# Altium PCB ECE453.PcbDoc (continued)
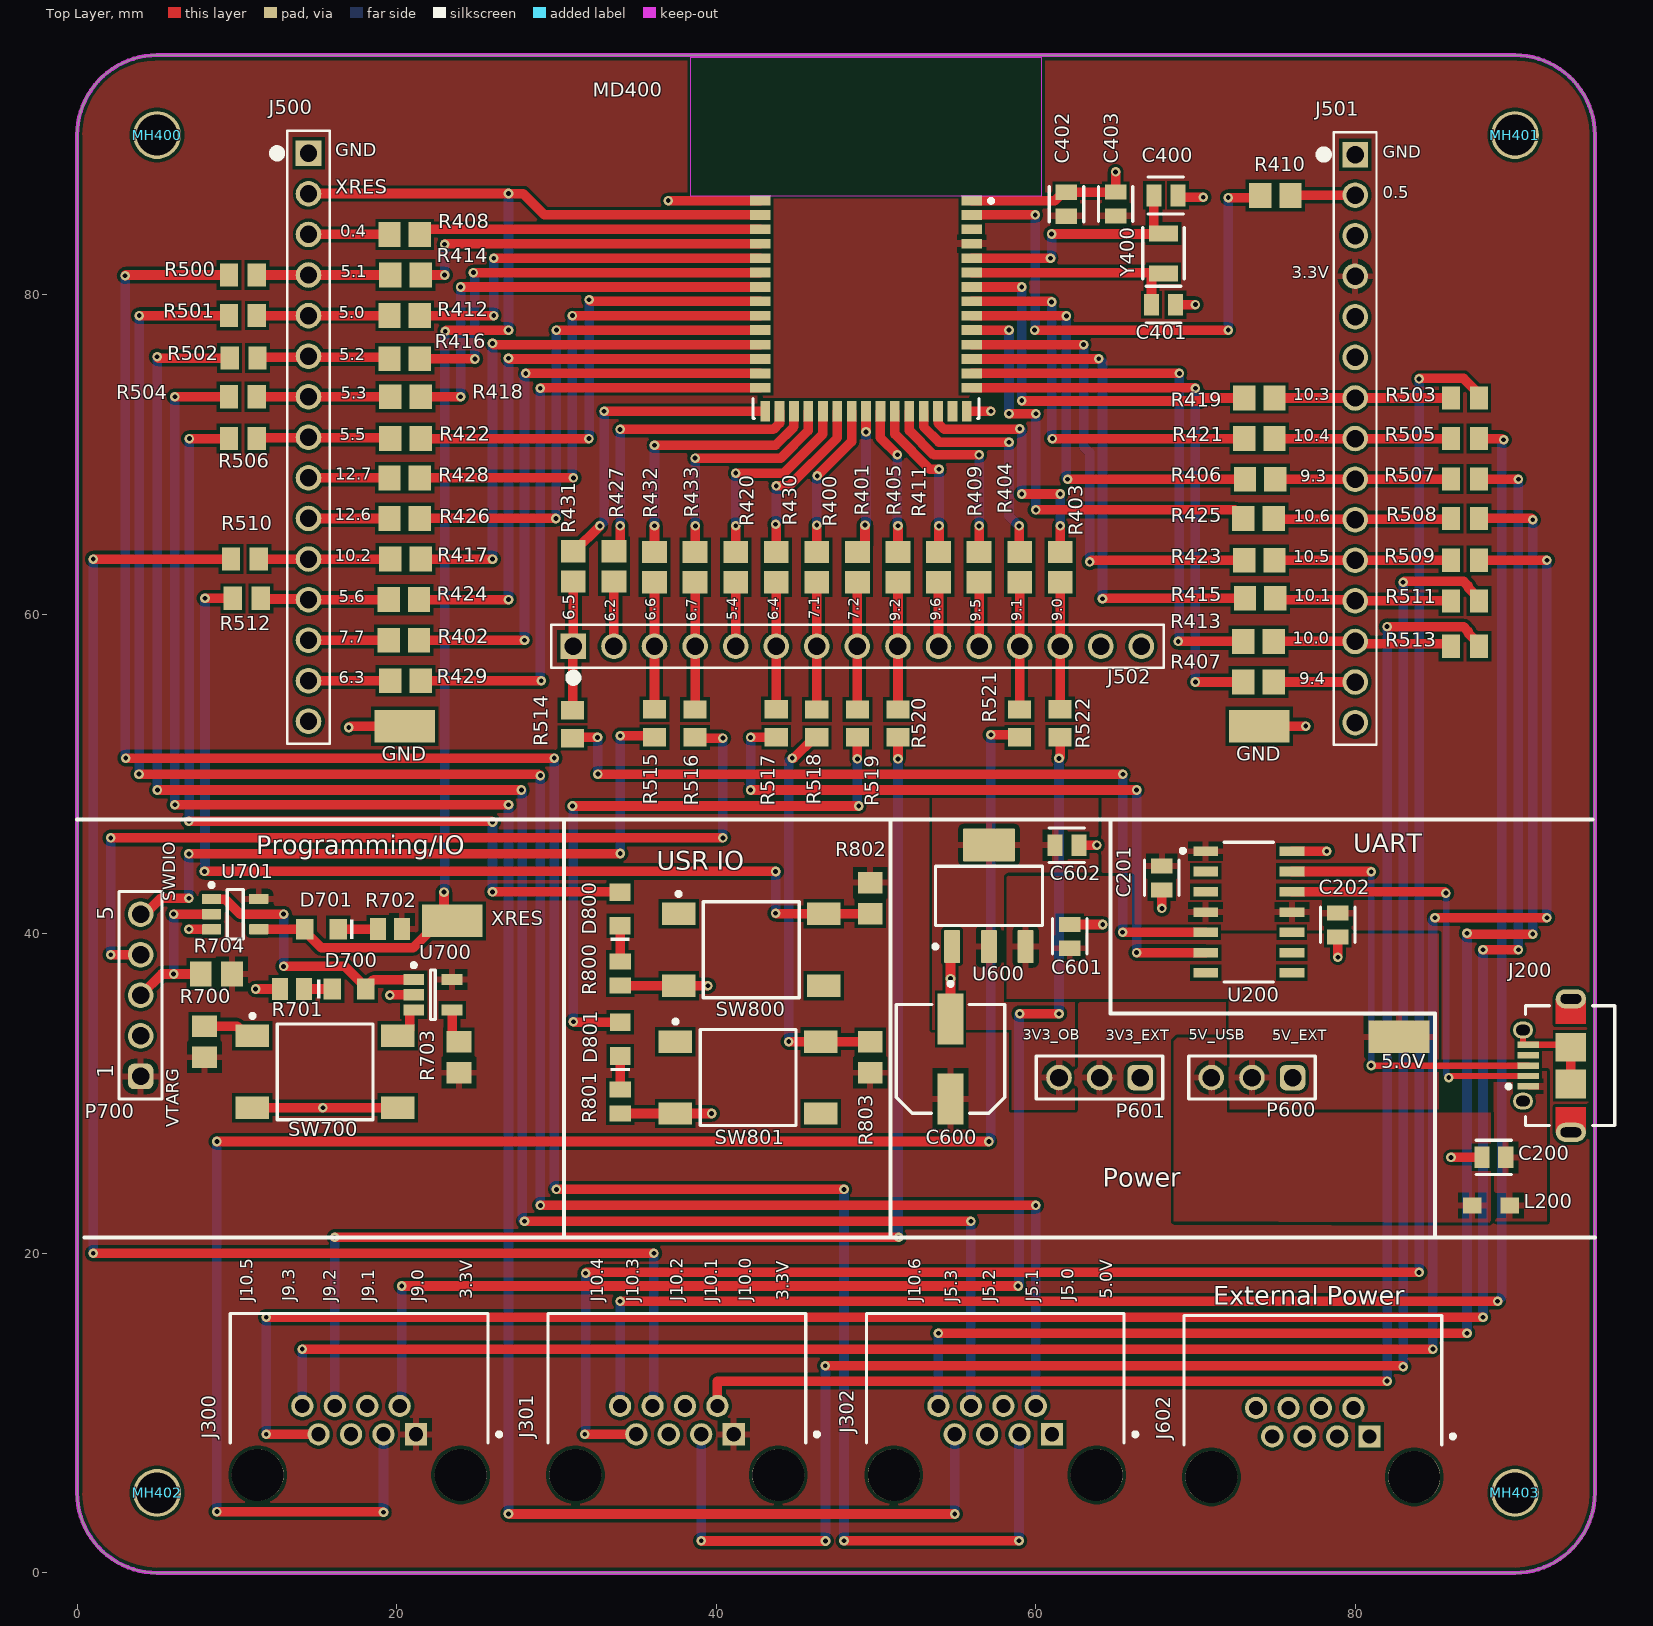
[diagram p0: Top Layer view]
## Part data
5.0V GND GND XRES: library part CMP-1672-00008-1, "Test Point, 1 Position SMD, RoHS, Tape and Reel", Package Quantity=1000, ComponentLink1Description="Manufacturer URL", ComponentLink1URL=http://www.keyelco.com/, ComponentLink2Description=Datasheet, ComponentLink2URL=http://www.keyelco.com/product-pdf.cfm?p=1357, Contact Plating=Silver, DatasheetVersion=03/2014, Mount="Surface Mount", Mounting Technology="Surface Mount", PackageDescription="1-Pin Surface Mount Device, Body 3.81 x 2.03 mm", PackageReference=5019, Packaging="Tape and Reel", Pins=1, RoHSCompliant=True
C200: library part CMP-2007-00279-2, "CAP CER 0.1UF 50V X7R 0805", Capacitance="0.10 μF", Manufacturer=KEMET, Manufacturer Part Number=C0805C104K5RACTU, Package=C0805C-DN, Temperature="-55°C to +125°C", Temperature Characteristic=X7R, Temperature Coefficient=30ppm/°C, Temperature Range High=+125°C, Temperature Range Low=-55°C, Tolerance=0.1, Voltage Rating="50 V", Automotive=No, Category=Cap, ComponentLink2Description=Datasheet, ComponentLink2URL=https://content.kemet.com/datasheets/KEM_C1003_C0G_SMD.pdf, Device Class L1="Passive Components", Device Class L2=Capacitors, Device Class L3="Ceramic Capacitors", Digikey Description="CAP CER 0.1UF 50V X7R 0805", Height=0.88mm, Ipc Land Pattern Name=CAPC200125X78, Lead Free=Yes, Material=Ceramic, Mouser Description="Cap Ceramic 0.1uF 50V X7R 10% SMD 2.0 x 1.2 mm 125 C Paper T/R", Octopart=https://octopart.com/c0805c104k5ractu-kemet-143926, RoHS=TRUE
C201 C202 C402 C403 C601 C602: library part CMP-2007-03243-2, "CAP CER 10UF 10V X5R 0805", 3DS Part Number=220-00001, Manufacturer=Kemet, Manufacturer Part Number=C0805C106K8PACTU, Package=C0805C-DG, Temperature="-55°C to +85°C", Temperature Characteristic=X5R, Temperature Coefficient=15%, Temperature Range High=+85°C, Temperature Range Low=-55°C, Tolerance=10%, Voltage=10V, Automotive=No, Capacitance=10uF, Category=Cap, ComponentLink2Description=Datasheet, ComponentLink2URL=https://content.kemet.com/datasheets/KEM_C1006_X5R_SMD.pdf, Device Class L1="Passive Components", Device Class L2=Capacitors, Device Class L3="Ceramic Capacitors", Digikey Description="CAP CER 10UF 10V X5R 0805", Height=1.4mm, Ipc Land Pattern Name=CAPC200125X125, Lead Free=Yes, Material=Ceramic, Mouser Description="CAP CER 10UF 10V X5R 0805", Octopart=https://octopart.com/c0805c106k8pactu-kemet-98697, RoHS=TRUE, Voltage Rating=10V
C400 C401: library part CMP-03020-018446-1, "CAP CER 6PF 250V C0G/NP0 0805", Manufacturer=KEMET, Manufacturer Part Number=CBR08C609CAGAC, Package=CBR08C, Temperature="-55°C to +125°C", Temperature Characteristic=C0G, Temperature Coefficient=30ppm/°C, Temperature Range High=+125°C, Temperature Range Low=-55°C, Tolerance="0.25 pF", Voltage Rating="250 V", Automotive=No, Capacitance="6.0 pF", Category=Cap, ComponentLink2Description=Datasheet, ComponentLink2URL=https://content.kemet.com/datasheets/KEM_C1030_CBR_SMD.pdf, Device Class L1="Passive Components", Device Class L2=Capacitors, Device Class L3="Ceramic Capacitors", Digikey Description="CAP CER 6PF 250V C0G/NP0 0805", Height=0.95mm, Ipc Land Pattern Name=CAPC200125X85, Lead Free=Yes, Material=Ceramic, Mouser Description="Multilayer Ceramic Capacitors MLCC - SMD/SMT 250volts 6pF C0G 0805 .25pF Tol RF", Octopart=https://octopart.com/cbr08c609cagac-kemet-23841672, RoHS=TRUE
C600: library part CMP-05427-000061-1, "CAP ALUM 100UF 20% 25V SMD", Case/Package=Radial, Leakage Current=3uA, Max Operating Temperature=85°C, Min Operating Temperature=-40°C, Package Quantity=900, Ripple Current=143mA, Tolerance=20%, Voltage=25V, Capacitance=100uF, Construction=Cylindrical, Contact Plating=Tin, Diameter=6.3mm, Height=7.7mm, Height - Seated (Max)=0.303inch, Lead Free="Lead Free", Length=8mm, Life (Hours)=2000Hour, Mount="Surface Mount", Packaging="Tape and Reel", Polarity=Polar, Radiation Hardening=No, Ripple Current (AC)=143mA, RoHS Compliant=Yes, Series=S, Termination=SMD/SMT, Voltage Rating=25V, Voltage Rating (DC)=25V
D700 D800 D801: library part CMP-1426-00007-2, Case Code (Imperial)=0805, Case Code (Metric)=2012, Color=Green, Forward Current=100mA, Forward Voltage=3.2V, Max Junction Temperature (Tj)=95°C, Max Operating Temperature=85°C, Max Reverse Voltage (DC)=5V, Min Operating Temperature=-40°C, Power Dissipation=105mW, Test Current=20mA, Case/Package=0805, Dominant Wavelength=525nm, Height=700µm, Length=2mm, Lens Style="Clear, Rectangular", Luminous Intensity=450mcd, Mount="Surface Mount", NexarPartId=29717780, Packaging="Tape and Reel", Peak Wavelength=515nm, REACH SVHC=Unknown, Reverse Voltage=5V, RoHS=Compliant, Viewing Angle=140°, Wavelength=520nm, Width=1.25mm
D701: library part CMP-1426-00011-2, Case Code (Imperial)=0805, Case Code (Metric)=2012, Color=Red, Forward Current=100mA, Forward Voltage=2V, Max Operating Temperature=85°C, Max Reverse Voltage (DC)=5V, Min Operating Temperature=-40°C, Test Current=20mA, Case/Package=0805, Dominant Wavelength=625nm, Height=700µm, Length=2mm, Lens Style="Clear, Rectangular", Luminous Intensity=150mcd, Mount="Surface Mount", NexarPartId=29717781, Packaging="Tape and Reel", Peak Wavelength=630nm, REACH SVHC=Unknown, RoHS=Compliant, Viewing Angle=140°, Wavelength=625nm, Width=1.25mm
J200: library part CMP-2000-05610-1, "Right Angle Female Type AB Micro USB Connector, 30 V, 1.8 A, -30 to 85 degC, RoHS, Tape and Reel", Color=Black, Current Rating=1.8A, Manufacturer=Molex, Operating Temperature Range=-20Cto+85C, Package Description="Micro USB Connector, Pitch 0.65 mm, 5 Positions, Body 7.5 x 5.6 mm", Voltage Rating=30VAC, Brand=Molex, Connector Type=MicroUSBTypeABreceptacle, Contact Material=CopperAlloy, Contact Plating=Gold, Datasheet URL=http://www.molex.com/webdocs/datasheets/pdf/en-us/0475890001_IO_CONNECTORS.pdf, Datasheet Version=12/2016, Gender=Female, Manufacturer URL=http://www.molex.com/, Mounting Angle=Right, Mounting Technology=SurfaceMount, Number of Contacts=5Contact, Number of Ports=1Port, Package Reference=47589-0001, Package URL=http://www.molex.com/pdm_docs/sd/475890001_sd.pdf, Packaging=Reel, Product=MicroUSBTypeABConnectors, Product Category=USBConnectors, RoHS=True, Series=47589, Standard=USB, Termination Style=SMD/SMT
J300 J301 J302 J602: library part CMP-02366-000003-1, "CONN MOD JACK 8P8C R/A UNSHLD", Contact Resistance=20mR, Current Rating=1.5A, Manufacturer=Amphenol, Max Voltage Rating (AC)=125V, Package=CONN_MOD_JACK, Supplier Part Number=RJHSE-5080-ND, Temperature="-55°C to +85°C", Temperature Range High=+85°C, Temperature Range Low=-55°C, Automotive=No, Category=Conn, ComponentLink1Description=https://datasheet.ciiva.com/7629/1682821-7629402.pdf?src-supplier=Element14, ComponentLink1URL=https://datasheet.ciiva.com/7629/1682821-7629402.pdf?src-supplier=Element14, ComponentLink2Description=Datasheet, ComponentLink2URL=https://cdn.amphenol-icc.com/media/wysiwyg/files/documentation/datasheet/inputoutput/io-modjack-rjhse.pdf, ComponentLink3Description=https://datasheet.ciiva.com/1432/1693748-1432448.pdf?src-supplier=Element14, ComponentLink3URL=https://datasheet.ciiva.com/1432/1693748-1432448.pdf?src-supplier=Element14, Conn Gender=Female, Conn Orientation="Right Angle", Connector Type=RJ45, Contact Material=Gold,Nickel, Contact Plating=Gold, Depth=14.99mm, Device Class L1=Connectors, Device Class L2="Modular / Ethernet Connectors", Device Class L3=unset, Digikey Description="CONN MOD JACK 8P8C R/A UNSHLD", Footprint Url=https://cdn.amphenol-icc.com/media/wysiwyg/files/drawing/rjhse5080.pdf?__cf_chl_jschl_tk__=e349db0bbbb6188a39347cd5e541b92fa02c9719-1587748343-0-AW7tChdeHzRPLX9gSWj7WrKaXQoY9BsmT9Ek0h-T62M9y3Rs9iypFcOtkzb-6sGYQEjFE-jcoNciDETCOZrh1rYyOesac5SvYLoLwHIsHvF4AKBlx-MXmfZUVk9OTTJLqyQq2qMm0PFRLJpNcK0nrKResqOniRSYixG2sPTmOPraH-ULJFBDL602CHqcI9KKBgTq90Jh1OL2Td4moJ99rFsJRJ1Tk_uoxGe8ublcP_ARu-uLpWcQrBcwOcHDTAwL29DAwVaqcH7ta8Ks7WMlHmVl_pILeEDwT0bE9vu5Pa5S3PtNRF1leuFkgi_FMbUxTDulc5xzbXSfng8srUIV1lWXny5nx1fZJEUa_w97yKjffzBMxiWLWVN-V7-uqAaPbyv_m-wRyw5O25OZNyJOeGU, Gender=Female, Height=0.535inch, Is Female=yes, Lead Free=Yes, Length=15.75mm, Manufacturer Part Number=RJHSE-5080, Max Current Rating=1.5A, Mounting Technology="Through Hole,Panel", Mouser Description="Modular Connectors / Ethernet Connectors R/A RJ45 NONSHIELDED 8 CONT NO LEDS", Number of Contacts=8, Number of Ports=1, Number of Positions=8, Number of Positions Loaded=8, Octopart=https://octopart.com/rjhse-5080-amphenol-45060, Orientation="Right Angle", Packaging=Rail/Tube, Pitch=1.02mm, Pricing="1=1.03, 10=0.867, 25=0.832, 50=0.8142, 100=0.7788, 250=0.708, 500=0.6372, 1000=0.56641, 2500=0.51331 (USD)", Radiation Hardening=No, Reach SVHC Compliant=Unknown, RoHS=TRUE, RoHS Compliant=Yes, Stock=72112, Supplier=Digikey, Termination=Solder, Voltage Rating=125V, Voltage Rating (DC)=125V
J500 J501 J502: library part CONN_HEADER_POS_30_2.54MM, "Conn Unshrouded Header HDR 15 POS 2.54mm Solder ST Thru-Hole", Manufacturer="Adam Equipment", Manufacturer Part Number=PH1-15-UA, Mfr_Name="Amphenol ICC", Supplier Part Number=2057-PH1-15-UA-ND, Category=Connectors, Copyright="Copyright (C) 2024 Ultra Librarian. All rights reserved.", Manufacturer_Part_Number=68000-115HLF, Pricing="1=0.18, 10=0.15, 100=0.1157, 500=0.09788, 1000=0.08008, 5000=0.07118, 10000=0.06451 (USD)", RefDes=RefDes, RoHS=No, Stock=2835, Supplier=Digikey, Type=DEV
J600 J601: library part CMP-03355-000020-1, "CONN SHUNT 2POS OPEN 2.54MM", Color=Black, Contact Current Rating=3A, Flammability Rating="UL94 V-0", Insulation Resistance=1GR, Max Operating Temperature=105°C, Min Operating Temperature=-65°C, Package Quantity=1500, Approvals=UL, Contact Gender=Female, Contact Material=Bronze, Contact Plating=Gold, Current Rating=3A, Depth=2.54mm, ELV=Compliant, Height=6.35mm, Housing Color=Black, Housing Material=Polyester, Lead Free="Lead Free", Length=5.08mm, Number of Contacts=2, Number of Positions=2, Number of Rows=1, Orientation=Straight, Packaging=Box, Pitch=2.54mm, Plating Thickness=0.127um, Radiation Hardening=No, Series=AMPMODU
L200: library part CMP-0220-00169-1, "SMD EMI Suppression Ferrite Bead WE-CBF, Z = 2200 Ohm", ComponentLink1Description="Manufacturer Link", ComponentLink1URL=http://www.we-online.com, ComponentLink2Description=Datasheet, ComponentLink2URL=http://www.we-online.de/katalog/media/pdf/742792093.pdf, DatasheetVersion=Dec-2005, Impedance="2200 Ohm", PackageDescription="Chip Inductor, 2-Leads, Body 2.0 x 1.2 mm", PackageReference=SMD-0805, PackageVersion=2005
MD400: library part CMP-12964-000002-1, "RF TXRX MOD BLUETOOTH TRACE ANT", Manufacturer="Cypress Semiconductor", Max Frequency=2.5GHz, Max Supply Voltage=3.6V, Min Supply Voltage=1.71V, Package=0, Receiving Current=6.7mA, Temperature="-40°C to +85°C", Temperature Range High=+85°C, Temperature Range Low=-40°C, Transmitting Current=5.7mA, Automotive=No, Bandwidth=100MHz, Category=UNK, ComponentLink2Description=Datasheet, ComponentLink2URL=https://www.cypress.com/file/428336/download, Data Rate=2Mbits/s, Device Class L1="Integrated Circuits (ICs)", Device Class L2="RF Semiconductors and Devices", Device Class L3=Transceivers, Digikey Description="RF TXRX MOD BLUETOOTH TRACE ANT", Height=2mm, Interface=I2C,SPI,UART,I2S,Other, Lead Free=Yes, Manufacturer Part Number=CYBLE-416045-02, Number Of Adc Channels=1, Number Of Gpio=36, Octopart=https://octopart.com/cyble-416045-02-cypress+semiconductor-96386825, RoHS=TRUE
MH400 MH401 MH402 MH403: "Mounting Holde", Manufacturer Part Number="UW MTHOLE"
P600 P601: library part CMP-1502-01062-2, Color=Black, Contact Resistance=20mΩ, Current Rating=3A, Max Operating Temperature=105°C, Min Operating Temperature=-40°C, Operating Supply Voltage=250V, Connector Type="Male Pin", Contact Material=Copper, Contact Mating Length=5.9944mm, Contact Plating=Gold, Gender=Male, Height=8.94mm, Lead Free="Lead Free", Lead Pitch=2.54mm, Mount="Through Hole", NexarPartId=32855521, Number of Contacts=3, Number of Pins=3, Number of Positions=3, Number of Rows=1, Orientation=Vertical, Packaging=Bulk, Pitch=2.54mm, REACH SVHC=Unknown, RoHS=Compliant, Termination=Solder, Voltage Rating=250V
P700: library part CMP-1502-01068-2, Color=Black, Contact Resistance=20mΩ, Current Rating=3A, Max Operating Temperature=105°C, Min Operating Temperature=-40°C, Operating Supply Voltage=250V, Connector Type="Male Pin", Contact Material=Copper, Contact Mating Length=5.9944mm, Contact Plating=Gold, Gender=Male, Height=8.89mm, Lead Free="Lead Free", Lead Pitch=2.54mm, Mount="Through Hole", NexarPartId=32855526, Number of Contacts=5, Number of Pins=5, Number of Positions=5, Number of Rows=1, Orientation=Vertical, Packaging=Bulk, Pitch=2.54mm, REACH SVHC=Unknown, RoHS=Compliant, Termination=Solder, Voltage Rating=250V
R400 R401 R402 R403 R404 R405 R406 R407 R408 R409 R410 R411 R412 R413 R414 R415 R416 R417 R418 R419 R420 R421 R422 R423 R424 R425 R426 R427 R428 R429 R430 R431 R432 R433: library part CMP-2001-00580-1, Manufacturer=Panasonic, Part Number=ERA6AEB101V
R500 R501 R502 R503 R504 R505 R506 R507 R508 R509 R510 R511 R512 R513 R514 R515 R516 R517 R518 R519 R520 R521 R522: library part CMP-1665-00002-5, "Chip Resistor, 0 Ohm, +/- 1%, 0.125 W, -55 to 155 degC, 0805 (2012 Metric), RoHS, Tape and Reel", Case Code (Imperial)=0805, Case Code (Metric)=2012, Max Operating Temperature="155 degC", Min Operating Temperature="-55 degC", Package Quantity=5000, PartNumber=ERJ-6GEY0R00V, Resistance="0 Ohm", Tolerance=5%, Case/Package=0805, ComponentLink1Description="Manufacturer URL", ComponentLink1URL=http://www.panasonic.com/, ComponentLink2Description=Datasheet, ComponentLink2URL=http://industrial.panasonic.com/cdbs/www-data/pdf/RDA0000/AOA0000C84.pdf, DatasheetVersion=03/2015, Height="0.6 mm", Length="2 mm", Mounting Technology="Surface Mount", PackageDescription="2-Pin Surface Mount Device, Body 2 x 1.25 mm", Packaging="Tape and Reel", Radiation Hardening=No, REACH SVHC="No SVHC", RoHSCompliant=True, Width="1.25 mm"
R700 R703 R704 R802 R803: library part CMP-2001-04376-1, Manufacturer=Panasonic, Part Number=ERJ-6ENF1002V
R701 R702 R800 R801: library part CMP-2001-00628-1, Manufacturer=Panasonic, Part Number=ERA6AEB331V
SW700: library part CMP-2000-05602-2, "Swicth, SPST, 24 V, -35 to 85 degC, 4-Pin SMD, RoHS, Tape and Reel", Case\/Package=SMD/SMT, Contact Current Rating=50mA, Contact Resistance=100mOhm, Manufacturer="TE Connectivity", Max Operating Temperature=85degC, Max Voltage Rating (DC)=12V, Min Operating Temperature=-35degC, Operating Force=1.57N, Package Description="4-Pin Surface Mount Device, Body 6 x 6 mm, Pitch 4.5 mm", Package Quantity=750, Package Reference=FSM4JSMA, Voltage Rating=24V, Actuator Length=0.055inch, Actuator Material=Polyamide, Contact Material=CopperAlloy, Contact Plating=Silver, Current Rating=50mA, Datasheet URL=http://www.te.com/commerce/DocumentDelivery/DDEController?Action=showdoc&DocId=Customer+Drawing%7F2-1437565-7%7FV%7Fpdf%7FEnglish%7FENG_CD_2-1437565-7_V.pdf%7F4-1437565-2, Datasheet Version="Rev. V, 02/2015", Electrical Life=100000Cycles, Illumination Type=Illuminated, Length=6mm, Manufacturer URL=http://www.te.com/, Mechanical Life=100000Cycles, Mount=SurfaceMount, Mounting Technology=SurfaceMount, Orientation=Straight, Packaging=LoosePiece, REACH SVHC=Unknown, RoHSCompliant=true, Switch Travel=0.25mm, Termination=GullWing, Throw Configuration=SPST, Voltage Rating (DC)=24V, Width=6mm
SW800 SW801: library part CMP-2000-05602-2, "Swicth, SPST, 24 V, -35 to 85 degC, 4-Pin SMD, RoHS, Tape and Reel", Case\/Package=SMD/SMT, Contact Current Rating=50mA, Contact Resistance=100mOhm, Manufacturer="TE Connectivity", Max Operating Temperature=85degC, Max Voltage Rating (DC)=12V, Min Operating Temperature=-35degC, Operating Force=1.57N, Package Description="4-Pin Surface Mount Device, Body 6 x 6 mm, Pitch 4.5 mm", Package Quantity=750, Voltage Rating=24V, Actuator Length=0.055inch, Actuator Material=Polyamide, Contact Material=CopperAlloy, Contact Plating=Silver, Current Rating=50mA, Datasheet URL=http://www.te.com/commerce/DocumentDelivery/DDEController?Action=showdoc&DocId=Customer+Drawing%7F2-1437565-7%7FV%7Fpdf%7FEnglish%7FENG_CD_2-1437565-7_V.pdf%7F4-1437565-2, Datasheet Version="Rev. V, 02/2015", Electrical Life=100000Cycles, Illumination Type=Illuminated, Length=6mm, Manufacturer URL=http://www.te.com/, Mechanical Life=100000Cycles, Mount=SurfaceMount, Mounting Technology=SurfaceMount, Orientation=Straight, Package Reference=FSM4JSMA, Packaging=LoosePiece, REACH SVHC=Unknown, RoHSCompliant=true, Switch Travel=0.25mm, Termination=GullWing, Throw Configuration=SPST, Voltage Rating (DC)=24V, Width=6mm
U200: library part CMP-06284-000011-1, "IC USB TO I2C/UART 14SOIC", Ambient Temperature Range High=+85°C, Ambient Temperature Range Low=-40°C, Manufacturer=Microchip, Max Junction Temp=+150°C, Max Supply Voltage=5.5V, Min Supply Voltage=3V, Nominal Supply Current=10-13mA, Package=C04-065-SL, Temperature="-40°C to +85°C", Automotive=Yes, Automotive Grade="Grade 3", Category=IC, ComponentLink2Description=Datasheet, ComponentLink2URL=http://ww1.microchip.com/downloads/en/DeviceDoc/20005565B.pdf, Data Rate=12Mbits/s, Device Class L1="Integrated Circuits (ICs)", Device Class L2="Interface ICs", Device Class L3="USB Interface ICs", Digikey Description="IC USB TO I2C/UART 14SOIC", Footprint Url=http://ww1.microchip.com/downloads/en/DeviceDoc/14L%20SOIC%203_90%20mm%20%28SL%29%20C04-00065d.pdf, Height=1.75mm, Interface=I2C,UART,USB, Ipc Land Pattern Name=SOIC127P600X175-14, Lead Free=Yes, Manufacturer Part Number=MCP2221A-I/SL, Octopart=https://octopart.com/mcp2221a-i%2Fsl-microchip-71704986, RoHS=TRUE, Standoff Height=0.1mm, Temperature Range High=+85°C, Temperature Range Low=-40°C, Usb Standard="USB 2.0"
U400: "Bucky Badger Image", Manufacturer Part Number="UW Bucky"
U600: library part CMP-0395-00499-2, "Single Output LDO, 1 A, Fixed 3.3 V Output, 2 to 5.5 V Input, 4-pin SOT-223 (DCY), -40 to 125 degC, Green (RoHS & no Sb/Br)", Manufacturer="Texas Instruments", Accuracy(%)=2, Code_JEDEC=TO-261, ComponentLink1Description="Manufacturer URL", ComponentLink1URL=http://www.ti.com/, ComponentLink2Description=Datasheet, ComponentLink2URL=http://www.ti.com/general/docs/lit/getliterature.tsp?genericPartNumber=TLV1117LV33&fileType=pdf, ComponentLink3Description="Package Specification", ComponentLink3URL=http://www.ti.com/litv/pdf/mpds094a, DatasheetVersion=SBVS160A, Eco-Plan="Green (RoHS & no Sb/Br)", Fixed Output Options(V)=3.3, Iout(Max)(A)=1, Iq(Typ)(mA)=0.05, Mounting Technology="Surface Mount", PackageDescription="4-Pin Plastic Small Outline, Body 3.5 x 6.5 mm, Pitch 2.3 mm", PackageReference=DCY0004A, PackageVersion=4202506/B, PartNumber=TLV1117LV33DCYT, SubFamily="Single Channel LDO", Vdo(Typ)(mV)=1200, Vin(Max)(V)=5.5, Vin(Min)(V)=2, Vout Adj(Max)(V)=3.3, Vout Adj(Min)(V)=3.3
U700: library part CMP-0138-00207-1, "Voltage Supervisor, 5-Pin SOT-23, Extended Temperature, Tape and Reel", Code_IPC=SOT23-5, DatasheetVersion="revB, Oct-2007", PackageDescription="5-Lead Plastic Small Outline Transistor (OT) [SOT-23]", PackageReference=SOT-23-OT5, PackageVersion="revBB, Aug-2009"
U701: library part CMP-0859-00053-3, "Single 2-Input Positive-AND Gate, DBV0005A, LARGE T&R", F @ Nom Voltage(Max)(Mhz)=150, Generic Part Number=SN74LVC1G08, ICC @ Nom Voltage(Max)(mA)=0.01, Manufacturer="Texas Instruments", Operating Temperature Range(C)="-40 to 125,-40 to 85", Rating=Catalog, tpd @ Nom Voltage(Max)(ns)=4.5,6,4,5, Voltage(Nom)(V)=1.8,2.5,3.3,5, 3-State Output=No, Bits(#)=1, DatasheetVersion=SCES217Y, Gate Type=AND, Input Type=CMOS/TTL, Logic=True, Output Drive (IOL/IOH)(Max)(mA)=32/-32, Output Type=CMOS, PackageReference=DBV0005A, Schmitt Trigger=No, Sub-Family="AND Gate", Technology Family=LVC, VCC(Max)(V)=5.5, VCC(Min)(V)=1.65
Y400: library part CMP-2000-07587-2, "CRYSTAL 32.7680KHZ 6PF SMD", Case/Package=SMD/SMT, ESR (Equivalent Series Resistance)=55kR, Frequency=32.768kHz, Frequency Tolerance=20ppm, Load Capacitance=6pF, Max Operating Temperature=85°C, Min Operating Temperature=-40°C, Package Quantity=3000, Series Resistance=60kR, Depth=1.5mm, Height=0.035inch, Lead Free="Lead Free", Length=3.2mm, Mount="Surface Mount", Number of Pins=2, Operating Frequency="32.768 kHz", Packaging="Tape and Reel", Radiation Hardening=No, REACH SVHC="No SVHC", RoHS Compliant=Yes, Series=ABS07, Termination=SMD/SMT, Tolerance=20ppm, Width=0.061inch

## Via types
v1: diameter 0.6, hole 0.3, Top Layer to Bottom Layer, 204 vias

## Nets (pads, with @x,y where several pads share a name; then routed paths per layer and width w, separated by ;. In a path a pad name is that pad's centre, name@x,y a point inside that pad or via, vN(x,y) a via of type N, cw(c..) or ccw(c..) an arc to the next point about the centre after c; other vN are vias at no path point)
3.3V: C201.1 C202.1 C402.1 C403.1 C600.2 J300.1 J301.1 J501.4 MD400.4 P601.2 P700.1 R700.2 R702.1 R703.2 R704.2 R802.2 R803.2 U200.1 U200.4 U200.11 U700.5 U701.5
3.3V_Ext: J602.1 J602.2 P601.1
3.3V_OB: C602.1 P601.3 U600.2 U600.4
3V3_PG_R: D700.1 R701.1 | length 1.8
  Top Layer w0.6: R701.1 D700.1
3V3_PWR_GOOD: D700.2 U700.1 U701.1 | length 17.2
  Top Layer w0.6: U701.1 8.44,42.155 9.279,42.155 10.204,41.23 v1(12.92,41.23) ; v1(12.92,37.956) 16.759,37.956 D700.2@18.07,36.645 ; D700.2 D700.2@18.07,36.645 ; U700.1 18.56,37.135 D700.2@18.07,36.645
  Bottom Layer w0.6: v1(12.92,37.956) v1(12.92,41.23)
5.0V: 5.0V.1 C601.1 J302.1 P600.2 U600.3
5.0V_Ext: J602.7 J602.8 P600.1
5.0V_IN: C200.1 J200.1 L200.1
5.0V_USB: L200.2 P600.3
GND: C200.2 C201.2 C202.2 C400.1 C401.1 C402.2 C403.2 C600.1 C601.2 C602.2 GND.1 J200.5 J200.6 J200.7 J200.8 J200.9 J200.10 J200.11 J300.4 J300.5 J301.4 J301.5 J302.4 J302.5 J500.1 J501.1 J502.15 J602.4 J602.5 MD400.1 MD400.15 MD400.43 P700.2 R701.2 R800.2 R801.2 SW700.3 SW700.4 SW800.3 SW801.3 U200.14 U600.1 U700.2 U701.3 | length 72.7
  Top Layer w0.4: J200.7 90.504,33.05 J200.5 93.354,33.05 J200.10
  Top Layer w0.6: v1(6.995,40.28) U701.3 ; SW700.3 v1(15.384,29.11) SW700.4 ; v1(11.165,36.545) R701.2 ; v1(17,52.913) 17.087,53 GND.1@20.5,53 ; v1(19.575,36.155) 19.606,36.185 U700.2 ; R800.2 33.99,36.754 37.641,36.754 SW800.3 v1(39.48,36.75) ; R800.2@33.986,36.947 R800.2@34.081,36.853 ; R801.2 v1(39.713,28.75) ; v1(37,85.9) MD400.43 ; C600.1 54.668,39.098 U600.1 ; MD400.15 v1(57.2,72.711) ; MD400.1 61.205,85.9 61.726,86.421 C402.2 61.933,86.428 64.993,86.428 C403.2 v1(65,87.694) ; C601.2@62.103,40.632 C601.2@62.135,40.599 ; C601.2 C601.2@62.135,40.599 ; C602.2 v1(63.832,45.553) ; v1(64.2,40.579) 62.155,40.579 C601.2@62.135,40.599 ; v1(67.903,41.589) C201.2 ; C401.1 v1(70,79.384) ; C400.1 69.009,86.108 v1(70.49,86.108) ; GND.1@74,53 v1(76.913,53) ; U200.14 v1(78.225,45.17) ; v1(78.916,38.537) C202.2 ; v1(86,26) C200.2 ; J200.9 J200.10
  other v1: 54.668,37.193
J5.0: J302.2 R501.2 | length 130
  Top Layer w0.6: v1(3.868,50) 28.901,50 v1(29,49.901) ; v1(3.883,78.699) R501.2 ; v1(29,23) v1(60.01,23)
  Bottom Layer w0.6: v1(3.868,50) 3.883,50.014 v1(3.883,78.699) ; v1(29,23) v1(29,49.901) ; J302.2 v1(60.01,23)
J5.1: J302.3 R500.2 | length 148.3
  Top Layer w0.6: v1(3,81.195) 3.044,81.239 R500.2 ; v1(3.035,51) v1(29.867,51) ; v1(30,24) v1(48,24) ; v1(48,2) v1(58.955,2)
  Bottom Layer w0.6: v1(3,81.195) 3,51.035 v1(3.035,51) ; v1(29.867,51) 29.867,24.133 v1(30,24) ; v1(48,2) v1(48,24) ; v1(58.955,2) 58.955,8.628 J302.3
J5.2: J302.6 R502.2 | length 121.1
  Top Layer w0.6: v1(5,76.126) 5.086,76.04 R502.2 ; v1(5.025,49) v1(27.805,49) ; v1(28,22) v1(55.946,22)
  Bottom Layer w0.6: v1(5,76.126) 5,49.025 v1(5.025,49) ; v1(27.805,49) 27.854,48.951 27.854,22.146 v1(28,22) ; J302.6 v1(55.946,22)
J5.3: J302.7 R504.2 | length 127.1
  Top Layer w0.6: v1(6.117,48.08) v1(27,48.08) ; v1(6.117,73.619) R504.2 ; v1(27,3.688) 27.006,3.681 v1(54.93,3.681)
  Bottom Layer w0.6: v1(6.117,48.08) v1(6.117,73.619) ; v1(27,3.688) v1(27,48.08) ; v1(54.93,3.681) J302.7
J9.0: J300.2 R522.2 | length 83
  Top Layer w0.6: v1(20.32,17.951) v1(58.901,17.951) ; v1(59,35) v1(61.46,35) ; v1(61.46,50.981) 61.529,51.05 R522.2
  Bottom Layer w0.6: J300.2 20.32,10.575 v1(20.32,17.951) ; v1(58.901,17.951) 58.955,18.005 58.955,34.955 v1(59,35) ; v1(61.46,35) v1(61.46,50.981)
J9.1: J300.3 R521.2 | length 114.2
  Top Layer w0.6: v1(8.744,3.833) 19.132,3.833 v1(19.174,3.791) ; v1(8.744,27) v1(57.074,27) ; v1(57.2,52.461) 58.817,52.461 R521.2
  Bottom Layer w0.6: v1(8.744,3.833) v1(8.744,27) ; v1(19.174,3.791) J300.3 ; v1(57.074,27) 57.2,27.126 v1(57.2,52.461)
J9.2: J300.6 R520.2 | length 77.2
  Top Layer w0.6: v1(16.126,21) v1(51.43,21) ; v1(51.38,50.951) R520.2
  Bottom Layer w0.6: J300.6 v1(16.126,21) ; v1(51.38,50.951) 51.38,21.05 v1(51.43,21)
J9.3: J300.7 R507.2 | length 143.9
  Top Layer w0.6: v1(11.832,8.667) J300.7 ; v1(11.832,16) v1(88,16) ; R507.2 v1(90.216,68.46) ; v1(88,39) v1(90.216,39)
  Bottom Layer w0.6: v1(11.832,8.667) v1(11.832,16) ; v1(88,16) v1(88,39) ; v1(90.216,39) v1(90.216,68.46)
J10.0: J301.2 R513.2 | length 97.1
  Top Layer w0.6: J301.2 40.08,12 v1(82,12) ; v1(82,59.232) 82.007,59.225 86.782,59.225 87.075,58.932 87.075,58.825 87.75,58.15 R513.2
  Bottom Layer w0.6: v1(82,12) v1(82,59.232)
J10.1: J301.3 R511.2 | length 116.2
  Top Layer w0.6: v1(39.064,2) 39.076,1.988 v1(46.845,1.988) ; v1(46.83,12.964) 82.937,12.964 v1(83,12.901) ; v1(83,62) 83.065,62.065 86.782,62.065 87.075,61.772 87.075,61.665 87.75,60.99 R511.2
  Bottom Layer w0.6: v1(39.064,2) J301.3 ; v1(46.83,12.964) 46.845,12.949 v1(46.845,1.988) ; v1(83,12.901) v1(83,62)
J10.2: J301.6 R510.2 | length 96.8
  Top Layer w0.6: v1(1,20) v1(36.105,20) ; v1(1,63.459) R510.2
  Bottom Layer w0.6: v1(1,20) v1(1,63.459) ; J301.6 36.105,10.534 v1(36.105,20)
J10.3: J301.7 R503.2 | length 125.8
  Top Layer w0.6: v1(31.779,8.667) J301.7 ; v1(31.826,18.751) 31.88,18.805 v1(84,18.805) ; v1(84,74.738) 84.027,74.765 86.782,74.765 R503.2@87.75,73.797 ; R503.2 R503.2@87.75,73.69
  Bottom Layer w0.6: v1(31.779,8.667) 31.826,8.713 v1(31.826,18.751) ; v1(84,18.805) v1(84,74.738)
J10.4: J301.8 R505.2 | length 117.1
  Top Layer w0.6: v1(33.984,17) v1(88.916,17) ; R505.2 89.216,71 v1(89.291,70.924)
  Bottom Layer w0.6: J301.8 v1(33.984,17) ; v1(88.916,17) 89.166,17.25 89.166,70.799 v1(89.291,70.924)
J10.5: J300.8 R509.2 | length 135
  Top Layer w0.6: v1(14.094,14) v1(84.863,14) ; v1(85,41) v1(92,41) ; R509.2 v1(92,63.38)
  Bottom Layer w0.6: J300.8 v1(14.094,14) ; v1(84.863,14) 84.863,40.863 v1(85,41) ; v1(92,41) v1(92,63.38)
J10.6: J302.8 R508.2 | length 96.2
  Top Layer w0.6: v1(53.914,15) v1(87,15) ; v1(87,40.037) 87.057,39.98 v1(91.121,39.98) ; R508.2 91.037,66 v1(91.117,65.92)
  Bottom Layer w0.6: J302.8 v1(53.914,15) ; v1(87,15) v1(87,40.037) ; v1(91.117,65.92) 91.117,39.984 v1(91.121,39.98)
MCP_URX: R514.2 U200.5 | length 51.9
  Top Layer w0.6: R514.2 31.042,52.292 v1(32.573,52.292) ; v1(32.6,50) 32.618,49.981 v1(65.459,49.981) ; v1(65.442,40.099) 65.45,40.09 U200.5
  Bottom Layer w0.6: v1(32.573,52.292) 32.6,52.265 v1(32.6,50) ; v1(65.442,40.099) 65.442,49.964 v1(65.459,49.981)
MCP_UTX: R517.2 U200.6 | length 43.6
  Top Layer w0.6: v1(42.152,49) v1(66.318,49) ; v1(42.152,52.292) 43.753,52.292 R517.2 ; v1(66.318,38.82) U200.6
  Bottom Layer w0.6: v1(42.152,49) v1(42.152,52.292) ; v1(66.318,38.82) v1(66.318,49)
MR: SW700.2 U700.3 | length 2.4
  Top Layer w0.6: SW700.2@20.095,33.635 SW700.2 20.42,33.61 20.82,34.01 20.82,35.185 20.87,35.235 U700.3
P0.0: C400.2 MD400.5 Y400.1 | length 15.9
  Top Layer w0.6: MD400.5 v1(60.926,82.29) ; v1(61,83.808) Y400.1@67.637,83.808 ; C400.2 67.4,84.045 Y400.1@67.637,83.808 ; Y400.1@67.963,83.808 Y400.1@67.637,83.808
  Bottom Layer w0.6: v1(60.926,82.29) 61,82.364 v1(61,83.808)
P0.1: C401.2 MD400.6 Y400.2 | length 14.3
  Top Layer w0.6: MD400.6 Y400.2@67.645,81.39 ; C401.2@67.4,79.534 C401.2 67.25,80.995 Y400.2@67.645,81.39 ; Y400.2@67.955,81.39 Y400.2@67.645,81.39
P0.4: J500.3 R408.1 | length 5.1
  Top Layer w0.6: J500.3 R408.1
P0.5: J501.2 R410.1 | length 4.1
  Top Layer w0.6: R410.1 75.961,86.229 79.989,86.229 J501.2
P5.0: J500.5 R412.1 R501.1 | length 8.3
  Top Layer w0.6: R501.1 J500.5 R412.1
P5.1: J500.4 R414.1 R500.1 | length 8.4
  Top Layer w0.6: R500.1 J500.4 R414.1
P5.2: J500.6 R416.1 R502.1 | length 8.4
  Top Layer w0.6: R502.1@11.25,76 11.329,76.079 14.402,76.079 J500.6 14.561,76.079 19.471,76.079 R416.1
P5.3: J500.7 R418.1 R504.1 | length 8.4
  Top Layer w0.6: R504.1 J500.7 R418.1
P5.4: J502.5 R420.1 | length 4
  Top Layer w0.6: J502.5 R420.1
P5.5: J500.8 R422.1 R506.1 | length 8.4
  Top Layer w0.6: R506.1 11.289,71.039 14.442,71.039 J500.8 14.521,71.039 19.561,71.039 R422.1
P5.6: J500.12 R424.1 R512.1 | length 8
  Top Layer w0.6: R512.1 11.541,60.959 14.441,60.959 J500.12 R424.1
P6.2: J502.2 R427.1 | length 4
  Top Layer w0.6: J502.2 R427.1
P6.3: J500.14 R429.1 | length 5.1
  Top Layer w0.6: J500.14 R429.1
P6.4: J502.6 R430.1 R517.1 | length 8
  Top Layer w0.6: R517.1 J502.6 R430.1
P6.5: J502.1 R431.1 R514.1 | length 8.1
  Top Layer w0.6: R514.1 31.03,54.03 31.03,57.97 J502.1 R431.1
P6.6: J502.3 R432.1 R515.1 | length 8
  Top Layer w0.6: R515.1 J502.3 R432.1
P6.7: J502.4 R433.1 R516.1 | length 8
  Top Layer w0.6: R516.1 J502.4 R433.1
P7.1: J502.7 R400.2 R518.1 | length 8
  Top Layer w0.6: R518.1 J502.7 R400.2
P7.2: J502.8 R401.2 R519.1 | length 8
  Top Layer w0.6: R401.2 J502.8 48.842,57.998 48.842,54.044 R519.1
P7.7: J500.13 R402.2 | length 5
  Top Layer w0.6: J500.13 R402.2
P9.0: J502.13 R403.2 R522.1 | length 8
  Top Layer w0.6: R522.1 61.535,54.054 61.535,57.995 J502.13 R403.2
P9.1: J502.12 R404.2 R521.1 | length 8
  Top Layer w0.6: R521.1 58.993,54.049 58.993,57.993 J502.12 R404.2
P9.2: J502.9 R405.2 R520.1 | length 8
  Top Layer w0.6: R520.1 J502.9 R405.2
P9.3: J501.9 R406.2 R507.1 | length 11
  Top Layer w0.6: R406.2 J501.9 R507.1
P9.4: J501.14 R407.2 | length 5.1
  Top Layer w0.6: R407.2 J501.14
P9.5: J502.11 R409.2 | length 4
  Top Layer w0.6: J502.11 R409.2
P9.6: J502.10 R411.2 | length 4
  Top Layer w0.6: J502.10 R411.2
P10.0: J501.13 R413.2 R513.1 | length 11.2
  Top Layer w0.6: R413.2 J501.13 80.15,58.15 85.85,58.15 R513.1
P10.1: J501.12 R415.2 R511.1 | length 11.1
  Top Layer w0.6: R415.2 75.08,60.92 79.92,60.92 J501.12 R511.1
P10.2: J500.11 R417.2 R510.1 | length 8.2
  Top Layer w0.6: R510.1 J500.11 R417.2
P10.3: J501.7 R419.2 R503.1 | length 11.1
  Top Layer w0.6: R419.2 J501.7 R503.1
P10.4: J501.8 R421.2 R505.1 | length 11.1
  Top Layer w0.6: R421.2 J501.8 R505.1
P10.5: J501.11 R423.2 R509.1 | length 11.1
  Top Layer w0.6: R423.2 J501.11 R509.1
P10.6: J501.10 R425.2 R508.1 | length 11.2
  Top Layer w0.6: R425.2 74.94,65.96 79.96,65.96 J501.10 80.04,65.96 85.96,65.96 R508.1
P12.6: J500.10 R426.2 | length 5.1
  Top Layer w0.6: J500.10 R426.2@19.549,65.999
P12.7: J500.9 R428.2 | length 5.1
  Top Layer w0.6: J500.9 R428.2
PB_IN1: R512.2 R802.1 SW800.2 | length 63.2
  Top Layer w0.6: v1(7.97,43.905) 43.714,43.905 v1(43.719,43.901) ; v1(8,61) R512.2 ; v1(43.719,41.283) 43.753,41.25 SW800.2 46.747,41.253 49.638,41.253 R802.1
  Bottom Layer w0.6: v1(7.97,43.905) 8,43.935 v1(8,61) ; v1(43.719,41.283) v1(43.719,43.901)
PB_IN2: R518.2 R803.1 SW801.2 | length 25
  Top Layer w0.6: v1(44.546,33.25) R803.1 ; v1(44.76,51) 44.858,51 46.15,52.292 R518.2
  Bottom Layer w0.6: v1(44.546,33.25) 44.546,50.786 v1(44.76,51)
PB_RST: R700.1 SW700.1 | length 3.3
  Top Layer w0.6: R700.1 10.006,34.224 10.62,33.61 SW700.1
PRG_RESET_N: P700.3 R704.1 U701.2 | length 10.4
  Top Layer w0.6: P700.3@4.005,36.185 5.305,37.485 R704.1 ; v1(6.038,41.23) U701.2
  Bottom Layer w0.6: v1(6.038,37.485) v1(6.038,41.23)
R0.4: MD400.41 R408.2 | length 21.4
  Top Layer w0.6: R408.2 21.766,84.095 42.757,84.095 MD400.41
R0.5: MD400.2 R410.2 | length 33.7
  Top Layer w0.6: MD400.2 v1(59.975,85) ; v1(59.932,77.79) v1(72.05,77.79) ; v1(72.05,86.086) 73.918,86.086 R410.2
  Bottom Layer w0.6: v1(59.932,77.79) 59.975,77.833 v1(59.975,85) ; v1(72.05,77.79) v1(72.05,86.086)
R5.0: MD400.39 R412.2 | length 24.9
  Top Layer w0.6: R412.2 v1(26.079,78.699) ; v1(26.079,82.29) MD400.39
  Bottom Layer w0.6: v1(26.079,78.699) v1(26.079,82.29)
R5.1: MD400.40 R414.2 | length 23.2
  Top Layer w0.6: R414.2 v1(23,81.239) ; v1(23,83.165) 23.035,83.2 MD400.40
  Bottom Layer w0.6: v1(23,81.239) v1(23,83.165)
R5.2: MD400.38 R416.2 | length 26.9
  Top Layer w0.6: R416.2 24.88,76 v1(24.9,75.98) ; v1(24.8,81.39) MD400.38
  Bottom Layer w0.6: v1(24.8,81.39) 24.9,81.29 v1(24.9,75.98)
R5.3: MD400.37 R418.2 | length 28.1
  Top Layer w0.6: R418.2 v1(24,73.619) ; v1(24,80.49) MD400.37
  Bottom Layer w0.6: v1(24,73.619) v1(24,80.49)
R5.4: MD400.25 R420.2 | length 12.8
  Top Layer w0.6: R420.2 v1(41.22,65.549) ; v1(41.22,68.837) 44.238,68.837 46.676,71.275 46.676,72.706 MD400.25
  Bottom Layer w0.6: v1(41.22,65.549) v1(41.22,68.837)
R5.5: MD400.36 R422.2 | length 30
  Top Layer w0.6: R422.2 v1(32.035,71) ; v1(32.044,79.69) 32.144,79.59 MD400.36
  Bottom Layer w0.6: v1(32.035,71) 32.044,71.009 v1(32.044,79.69)
R5.6: MD400.32 R424.2 | length 36.5
  Top Layer w0.6: R424.2 v1(27,60.919) ; v1(27,76.027) 27.047,75.98 MD400.32
  Bottom Layer w0.6: v1(27,60.919) v1(27,76.027)
R6.2: MD400.28 R427.2 | length 18.7
  Top Layer w0.6: R427.2 33.986,64.336 v1(33.986,65.534) ; v1(33.986,71.576) 43.583,71.576 43.966,71.959 43.966,72.706 MD400.28
  Bottom Layer w0.6: v1(33.986,65.534) v1(33.986,71.576)
R6.3: MD400.30 R429.2 | length 39.7
  Top Layer w0.6: R429.2 v1(29.053,55.839) ; v1(28.984,74.156) 29.008,74.18 MD400.30
  Bottom Layer w0.6: v1(28.984,74.156) 29,74.14 29,55.892 v1(29.053,55.839)
R6.4: MD400.24 R430.2 | length 10.9
  Top Layer w0.6: v1(43.719,65.633) 43.76,65.593 R430.2 ; v1(43.76,68.037) 44.57,68.037 47.581,71.048 MD400.24
  Bottom Layer w0.6: v1(43.719,65.633) 43.76,65.674 v1(43.76,68.037)
R6.5: MD400.29 R431.2 | length 19.7
  Top Layer w0.6: R431.2 31.135,63.95 v1(32.719,65.534) ; v1(32.986,72.711) MD400.29
  Bottom Layer w0.6: v1(32.719,65.534) 32.986,65.801 v1(32.986,72.711)
R6.6: MD400.27 R432.2 | length 16.9
  Top Layer w0.6: R432.2 v1(36.14,65.549) ; v1(36.14,70.581) 43.719,70.581 44.866,71.728 44.866,72.706 MD400.27
  Bottom Layer w0.6: v1(36.14,65.549) v1(36.14,70.581)
R6.7: MD400.26 R433.2 | length 14.9
  Top Layer w0.6: R433.2 38.68,65.514 v1(38.7,65.534) ; v1(38.68,69.781) 44.051,69.781 45.766,71.496 45.766,72.706 MD400.26
  Bottom Layer w0.6: v1(38.68,69.781) 38.68,65.554 v1(38.7,65.534)
R7.1: MD400.23 R400.1 | length 9.7
  Top Layer w0.6: R400.1 v1(46.3,65.583) ; v1(46.324,68.66) 48.481,70.817 MD400.23
  Bottom Layer w0.6: v1(46.3,65.583) 46.3,68.636 v1(46.324,68.66)
R7.2: MD400.22 R401.1 | length 9.1
  Top Layer w0.6: R401.1 48.915,63.9 49.315,64.3 v1(49.315,65.584) ; v1(49.381,71.419) MD400.22
  Bottom Layer w0.6: v1(49.315,65.584) 49.381,65.65 v1(49.381,71.419)
R7.7: MD400.31 R402.1 | length 38
  Top Layer w0.6: R402.1 v1(28,58.379) ; v1(28.079,75.08) MD400.31
  Bottom Layer w0.6: v1(28,58.379) 28,75.001 v1(28.079,75.08)
R9.0: MD400.17 R403.1 | length 16.2
  Top Layer w0.6: MD400.17 53.896,72.706 53.896,71.959 54.279,71.576 58.962,71.576 v1(59,71.614) ; v1(59.132,67.528) v1(61.54,67.528) ; R403.1 v1(61.54,65.534)
  Bottom Layer w0.6: v1(59,71.614) 59.132,71.482 v1(59.132,67.528) ; v1(61.54,65.534) v1(61.54,67.528)
R9.1: MD400.18 R404.1 | length 13.9
  Top Layer w0.6: MD400.18 52.996,72.706 52.996,71.728 53.948,70.776 v1(58.332,70.776) ; v1(58.962,65.534) 58.962,63.938 R404.1
  Bottom Layer w0.6: v1(58.332,70.776) 58.332,66.164 v1(58.962,65.534)
R9.2: MD400.21 R405.1 | length 9.3
  Top Layer w0.6: MD400.21 50.281,71.048 v1(51.342,69.987) ; R405.1 v1(51.38,65.549)
  Bottom Layer w0.6: v1(51.342,69.987) 51.342,65.586 v1(51.38,65.549)
R9.3: MD400.9 R406.1 | length 27.3
  Top Layer w0.6: MD400.9 61.911,78.69 v1(61.926,78.675) ; v1(62,68.46) R406.1
  Bottom Layer w0.6: v1(61.926,78.675) 61.926,68.534 v1(62,68.46)
R9.4: MD400.14 R407.1 | length 35.4
  Top Layer w0.6: MD400.14 69.974,74.18 v1(70,74.154) ; v1(70,55.76) R407.1
  Bottom Layer w0.6: v1(70,55.76) v1(70,74.154)
R9.5: MD400.19 R409.1 | length 12.3
  Top Layer w0.6: MD400.19 52.096,72.706 52.096,71.496 53.616,69.976 v1(56.46,69.976) ; R409.1 v1(56.46,65.534)
  Bottom Layer w0.6: v1(56.46,65.534) v1(56.46,69.976)
R9.6: MD400.20 R411.1 | length 10.3
  Top Layer w0.6: MD400.20 51.186,72.706 51.186,71.275 53.387,69.074 v1(53.948,69.074) ; R411.1 53.948,63.928 53.948,65.532 v1(53.95,65.534)
  Bottom Layer w0.6: v1(53.948,69.074) 53.948,65.536 v1(53.95,65.534)
R10.0: MD400.13 R413.1 | length 33.9
  Top Layer w0.6: MD400.13 v1(69,75.08) ; v1(68.925,58.3) R413.1
  Bottom Layer w0.6: v1(68.925,58.3) 69,58.375 v1(69,75.08)
R10.1: MD400.12 R415.1 | length 32
  Top Layer w0.6: MD400.12 63.928,75.98 v1(63.948,76) ; v1(64.181,60.972) 64.21,61 R415.1
  Bottom Layer w0.6: v1(63.948,76) 64.181,75.767 v1(64.181,60.972)
R10.2: MD400.33 R417.1 | length 34.8
  Top Layer w0.6: R417.1 v1(26,63.459) ; v1(26,76.959) 26.079,76.88 MD400.33
  Bottom Layer w0.6: v1(26,63.459) v1(26,76.959)
R10.3: MD400.7 R419.1 | length 24.2
  Top Layer w0.6: MD400.7 v1(59.132,80.49) ; v1(59.132,73.38) 59.158,73.354 70.331,73.354 70.517,73.54 R419.1
  Bottom Layer w0.6: v1(59.132,73.38) v1(59.132,80.49)
R10.4: MD400.8 R421.1 | length 25.6
  Top Layer w0.6: MD400.8 60.962,79.59 v1(61,79.552) ; v1(61.05,71) R421.1
  Bottom Layer w0.6: v1(61,79.552) 61,71.05 v1(61.05,71)
R10.5: MD400.11 R423.1 | length 30.5
  Top Layer w0.6: MD400.11 v1(63,76.88) ; v1(63.381,63.281) 63.481,63.38 R423.1
  Bottom Layer w0.6: v1(63,76.88) 63,70.511 63.381,70.13 v1(63.381,63.281)
R10.6: MD400.10 R425.1 | length 28.6
  Top Layer w0.6: MD400.10 v1(58.332,77.79) ; v1(58.332,72.565) 58.343,72.554 v1(60.017,72.554) ; v1(60.017,66.534) 72.466,66.534 72.525,66.475 72.6,66.475 73,66.075 R425.1 R425.1@72.92,65.92
  Bottom Layer w0.6: v1(58.332,72.565) v1(58.332,77.79) ; v1(60.017,66.534) v1(60.017,72.554)
R12.6: MD400.34 R426.1 | length 33.1
  Top Layer w0.6: R426.1 29.966,66 v1(29.967,65.999) ; v1(30,77.79) MD400.34
  Bottom Layer w0.6: v1(29.967,65.999) 30,66.032 v1(30,77.79)
R12.7: MD400.35 R428.1 | length 31.6
  Top Layer w0.6: R428.1 v1(31.06,68.539) ; v1(31,78.699) 31.009,78.69 MD400.35
  Bottom Layer w0.6: v1(31,78.699) 31,68.599 v1(31.06,68.539)
SWDCLK: P700.4 R516.2 | length 55.7
  Top Layer w0.6: v1(2.102,38.69) P700.4 P700.4@4.102,38.822 ; v1(2.102,46) v1(40.42,46) ; R516.2 38.722,52.25 v1(40.42,52.25)
  Bottom Layer w0.6: v1(2.102,38.69) v1(2.102,46) ; v1(40.42,46) v1(40.42,52.25)
SWDIO: P700.5 R515.2 | length 42.8
  Top Layer w0.6: P700.5 4.241,41.23 5.241,42.23 v1(6.995,42.23) ; v1(6.995,45) 33.964,45 v1(33.99,45.026) ; v1(34,52.403) 36.036,52.403 R515.2
  Bottom Layer w0.6: v1(6.995,42.23) v1(6.995,45) ; v1(33.99,45.026) 34,45.036 v1(34,52.403)
USB_D_M: J200.2 U200.12 | length 26.3
  Top Layer w0.4: v1(85.854,31) 85.908,31 86.009,31.1 J200.2
  Top Layer w0.6: U200.12 85.601,42.63 v1(85.681,42.55)
  Bottom Layer w0.4: v1(85.681,42.55) 85.7,42.531 85.7,31.208 85.854,31.054 v1(85.854,31)
USB_D_P: J200.3 U200.13 | length 26.9
  Top Layer w0.4: v1(81,31.753) 81.003,31.75 J200.3
  Top Layer w0.6: U200.13 80.984,43.9 v1(81.003,43.882)
  Bottom Layer w0.4: v1(81,31.753) 81.001,31.754 81.001,43.881 v1(81.003,43.882)
USR_LED1: D800.2 R506.2 | length 57.8
  Top Layer w0.6: v1(6.995,47.049) 25.951,47.049 v1(26,47) ; v1(7.025,71) R506.2 ; v1(26,42.62) 33.979,42.62 D800.2
  Bottom Layer w0.6: v1(6.995,47.049) 7.025,47.079 v1(7.025,71) ; v1(26,42.62) v1(26,47)
USR_LED1_R: D800.1 R800.1 | length 2.3
  Top Layer w0.6: R800.1 D800.1
USR_LED2: D801.2 R519.2 | length 38.7
  Top Layer w0.6: v1(31.009,48) v1(48.927,48) ; v1(31.06,34.5) 31.109,34.451 D801.2 ; v1(48.844,50.951) R519.2
  Bottom Layer w0.6: v1(31.009,48) 31.06,47.949 v1(31.06,34.5) ; v1(48.844,50.951) 48.844,48.083 v1(48.927,48)
USR_LED2_R: D801.1 R801.1 | length 2.1
  Top Layer w0.6: R801.1 D801.1
VBACKUP: MD400.3
VREF: MD400.16
WDI: R703.1 U700.4 | length 2.2
  Top Layer w0.6: U700.4 23.47,33.624 23.845,33.249 R703.1
XRES_N: D701.2 J500.2 MD400.42 U701.4 XRES.1 | length 92
  Top Layer w0.6: U701.4 D701.2 14.233,40.18 15.29,39.123 21.027,39.123 21.87,39.966 21.87,40.088 22.585,40.803 XRES.1 22.96,41.313 v1(22.96,42.613) ; J500.2 14.506,86.343 v1(27,86.343) 27.024,86.319 27.933,86.319 29.252,85 MD400.42 ; v1(23.035,77.724) 23.101,77.79 v1(27,77.79)
  Bottom Layer w0.6: v1(22.96,42.613) 23,42.653 23,77.689 v1(23.035,77.724) ; v1(27,77.79) v1(27,86.343)
XRES_N_R: D701.1 R702.2 | length 2.5
  Top Layer w0.6: D701.1 16.342,40.289 18.811,40.289 R702.2
pads on no net: J200.4 J300. J301. J302. J500.15 J501.3 J501.5 J501.6 J501.15 J502.14 J602. J602.3 J602.6 MH400.1 MH401.1 MH402.1 MH403.1 SW800.1 SW800.4 SW801.1 SW801.4 U200.2 U200.3 U200.7 U200.8 U200.9 U200.10

## Polygon pours and split planes (outlines as drawn)
5.0V on Bottom Layer "B_5.0V" (solid, remove dead copper, pour order 9): 74.199,33.387 74.199,19 66.94,19 66.94,6.311 59.455,6.311 59.455,10.645 60.846,10.645 60.846,21.998 60.844,22 69.582,22 69.582,33.35
3.3V_Ext on Bottom Layer "B_3.3V_EXT" (solid, remove dead copper, pour order 8): 64,28 63.948,28.052 63.948,37 81.529,37 81.49,36.961 81.49,10.929 83.049,10.929 83.049,6 78.469,6 78.469,33.559 69.175,33.559 69.175,28.03
GND on Bottom Layer "GND_L02_P010" (solid, remove dead copper, pour order 10): 0,95 95,95 95,0 0,0
5.0V_Ext on Bottom Layer "B_5.0V_EXT" (solid, remove dead copper, pour order 7): 74.51,33 78.058,33 78.058,14 75.526,14 75.526,6.311 70.868,6.311 70.868,18.736 74.375,18.736
3.3V on Top Layer "3.3V_L01_P006" (solid, remove dead copper, pour order 6): 0,95 95,95 95,0 0,0
5.0V on Top Layer "T_5.0" (solid, remove dead copper, pour order 4): 58.204,43.636 58.204,35.928 72.1,35.923 72.1,29.008 85.225,29.008 85.225,40.013 66.07,40.013 66,40.084 66,43.596
3.3V_OB on Top Layer "3.3V_OB_L01_P005" (solid, remove dead copper, pour order 5): 62.454,30 62.454,35.725 58,35.725 58,43.582 63.918,43.582 63.918,50 53.997,50 53.534,49.537 53.534,34 58.49,34 58.503,33.987 58.503,29 62.454,29
5.0V_USB on Top Layer "T_5.0V_USB" (solid, remove dead copper, pour order 0): 88.491,21.922 88.502,21.933 88.502,28.794 72.026,28.794 71.956,28.864 71.956,33.5 68.875,33.5 68.652,33.277 68.652,21.994
5.0V_IN on Top Layer "T_5.0V_IN" (solid, remove dead copper, pour order 3): 92,31.4 92,22 88.68,22 88.68,31.4

## Keep-outs
Keep-Out Layer:
  the board outline again, w0.254

## Silkscreen, mask and mechanical layers (free items; w line width, h text height)
Top Overlay:
  lines w0.254: 0,47.149 94.851,47.149 ; 0.463,21 85,21 ; 30.482,21 30.482,47.049 ; 50.905,20.992 50.905,47.021 ; 64.68,47.149 64.68,46.951 64.68,35 85,35 85,21 ; 95,21 93.854,21 85,21
  text "GND" at 16.154,88.385 h1.4
  text "GND" at 81.723,88.331 h1.3
  text "XRES" at 16.155,86.017 h1.52
  text "0.5" at 81.726,85.785 h1.3
  text "0.4" at 16.471,83.373 h1.3
  text "5.1" at 16.484,80.856 h1.3
  text "3.3V" at 76.03,80.793 h1.3
  text "5.0" at 16.377,78.285 h1.3
  text "5.2" at 16.395,75.661 h1.3
  text "5.3" at 16.484,73.232 h1.3
  text "10.3" at 76.126,73.14 h1.3
  text "5.5" at 16.431,70.643 h1.3
  text "10.4" at 76.11,70.572 h1.3
  text "12.7" at 16.145,68.165 h1.3
  text "9.3" at 76.549,68.038 h1.3
  text "12.6" at 16.134,65.626 h1.3
  text "10.6" at 76.162,65.55 h1.3
  text "10.2" at 16.114,63.075 h1.3
  text "10.5" at 76.116,62.994 h1.3
  text "10.1" at 76.199,60.568 h1.3
  text "5.6" at 16.389,60.505 h1.3
  text "7.1" at 46.686,59.685 h1.15 r90
  text "6.5" at 31.402,59.641 h1.3 r90
  text "5.4" at 41.546,59.612 h1.15 r90
  text "6.4" at 44.11,59.612 h1.15 r90
  text "7.2" at 49.157,59.612 h1.15 r90
  text "6.6" at 36.45,59.588 h1.15 r90
  text "9.6" at 54.28,59.588 h1.15 r90
  text "6.7" at 39.014,59.561 h1.15 r90
  text "9.2" at 51.745,59.557 h1.15 r90
  text "9.1" at 59.349,59.563 h1.15 r90
  text "9.0" at 61.884,59.563 h1.15 r90
  text "6.2" at 33.914,59.535 h1.15 r90
  text "9.5" at 56.766,59.539 h1.15 r90
  text "7.7" at 16.372,57.97 h1.3
  text "10.0" at 76.102,57.892 h1.3
  text "6.3" at 16.372,55.431 h1.3
  text "9.4" at 76.504,55.368 h1.3
  text "UART" at 79.89,44.702 h2
  text "Programming/IO" at 11.195,44.576 h2
  text "USR IO" at 36.282,43.598 h2
  text "SWDIO" at 6.418,42.038 h1.32 r90
  text "3V3_OB" at 59.2,33.152 h1.15
  text "5V_USB" at 69.579,33.141 h1.15
  text "5V_EXT" at 74.821,33.128 h1.15
  text "3V3_EXT" at 64.401,33.105 h1.15
  text "VTARG" at 6.634,27.879 h1.33 r90
  text "Power" at 64.2,23.765 h2
  text "5.0V" at 65.061,17.156 h1.32 r90
  text "3.3V" at 25.003,17.114 h1.32 r90
  text "3.3V" at 44.836,17.056 h1.32 r90
  text "J5.0" at 62.655,17.014 h1.32 r90
  text "J9.3" at 13.891,16.998 h1.32 r90
  text "J10.2" at 38.189,16.985 h1.32 r90
  text "J10.0" at 42.469,16.994 h1.32 r90
  text "J10.5" at 11.286,16.971 h1.32 r90
  text "J9.1" at 18.868,16.979 h1.32 r90
  text "J9.0" at 21.978,16.971 h1.32 r90
  text "J10.4" at 33.204,16.974 h1.32 r90
  text "J10.3" at 35.43,16.975 h1.32 r90
  text "J10.1" at 40.359,16.965 h1.32 r90
  text "J10.6" at 53.081,16.975 h1.32 r90
  text "J5.2" at 57.742,16.975 h1.32 r90
  text "J5.1" at 60.443,16.975 h1.32 r90
  text "J9.2" at 16.466,16.955 h1.32 r90
  text "J5.3" at 55.367,16.945 h1.32 r90
  text "External Power" at 71.103,16.383 h2
Mechanical 2:
  lines w0.254: 5,0 cw(c5,5) 0,5 0,90 cw(c5,90) 5,95 90,95 cw(c90,90) 95,90 95,5 cw(c90,5) 90,0 5,0 ; 5,0 5,0

## Dimensions
90,0 to 90,95 on Mechanical 1
0,5 to 95,5 on Mechanical 1

## Text inside footprints (layer, text, board x,y; h text height)
J200: Mechanical 1 "PCB EDGE" at 94.504,37.45 h1 r90
P700: Top Overlay "5" at 2.27,40.85 h1.02 r90; Top Overlay "1" at 2.27,30.95 h1.02 r90
U400: Bottom Overlay "ECE 453" at 50.702,69.273 h1.02